# Altium PCB ALCT_MEZ_LX100.PcbDoc (part 1 of 10) (continued)
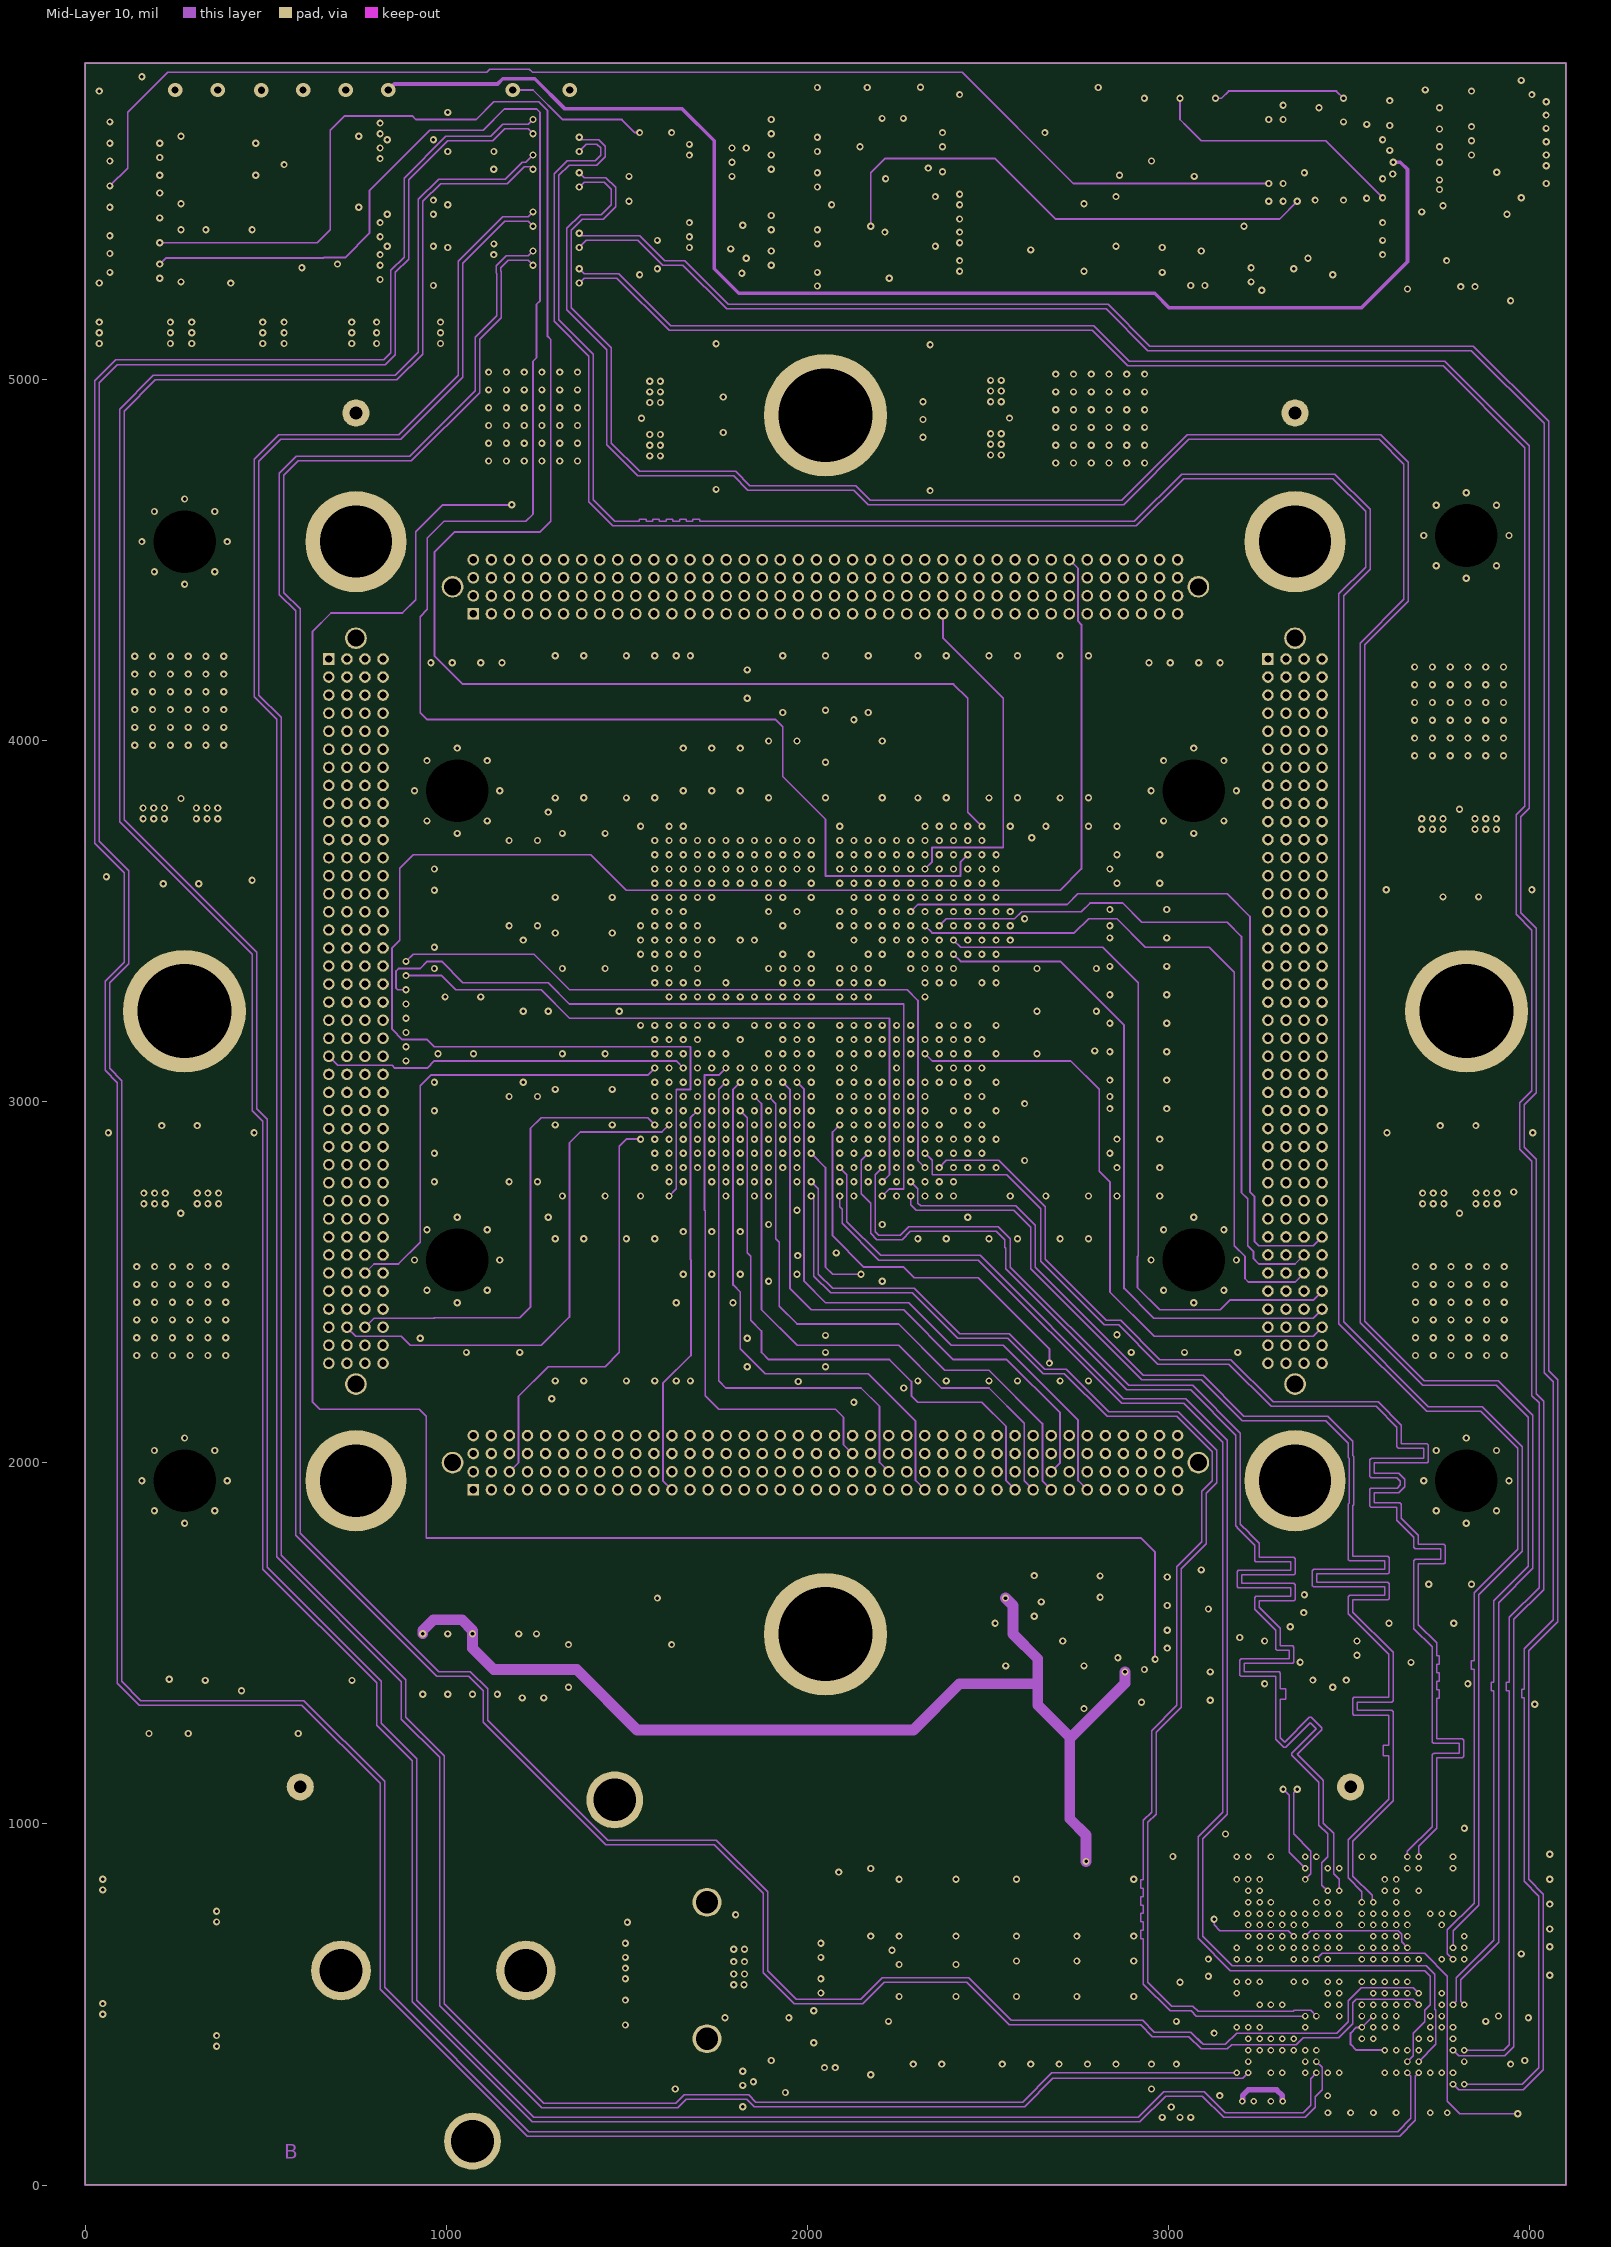
[diagram p11: Mid-Layer 10]

## Layer stack, top to bottom
Top Solder: solder mask 1.4, Solder Resist, Dk 3.3
Top Layer: signal copper 2
Dielectric 1: prepreg 4.9, FR-4, Dk 4.2
GND: signal copper 0.6
Dielectric3: prepreg 4.9, FR-4, Dk 4.2
Mid-Layer 2: signal copper 0.6
Dielectric4: core 5, FR-4, Dk 4.2
+3V3: signal copper 1.5
Dielectric 14: prepreg 4.9, Dk 4.2
Mid-Layer 4: signal copper 0.6
Dielectric5: core 5, FR-4, Dk 4.2
+1V2: signal copper 0.6
Dielectric6: prepreg 4.9, FR-4, Dk 4.2
Mid-Layer 6: signal copper 0.6
Dielectric7: core 5, FR-4, Dk 4.2
+1V8: signal copper 0.6
Dielectric12: prepreg 4.9, FR-4, Dk 4.2
Mid-Layer 8: signal copper 0.6
Dielectric8: core 5, FR-4, Dk 4.2
+2V5: signal copper 0.6
Dielectric13: prepreg 4.9, FR-4, Dk 4.2
Mid-Layer 10: signal copper 0.6
Dielectric10: core 5, FR-4, Dk 4.2
Bottom Layer: signal copper 1.4
Bottom Solder: solder mask 0.4, Solder Resist, Dk 3.3

## Board outline
0,0.16 0,5875 4100,5875 4100,0.16

## Design rules (kind name [scope] priority, off if disabled: settings)
Clearance PolyPoly [InPolygon vs InPolygon] p1: gap=25 ignorepadtopadclearanceinfootprint=TRUE
Clearance "Mechanical to Polygon" [InComponent ('M*')       or InComponent('H*')] p2: gap=8 ignorepadtopadclearanceinfootprint=TRUE except(15: Arc-Poly Track-Poly SMDPad-Poly THPad-Poly Via-Poly Fill-Poly Poly-Poly)
Clearance "FPGA Clearance" [WithinRoom('FPGA_ROOM')] p3: gap=6 ignorepadtopadclearanceinfootprint=TRUE except(7: Arc-Via Track-Via)
Clearance Clock_to_Polygon [InNet('CCLK') or InNet('cclk_sw') or InNet('ck33') or InNet('gbt_cclk') or InNet('gbt_eprt_cclk') or InNet('*clk*') or InNet('cclk_prom')                        or InNet('CK20')] p4: gap=4 ignorepadtopadclearanceinfootprint=TRUE except(15: Track-Poly)
Clearance "GBT BGA Clearance" [InRegionRelative(3165,68,3835,906)] p5: gap=4 ignorepadtopadclearanceinfootprint=TRUE
Clearance Polygon [InPolygon] p6: gap=5 ignorepadtopadclearanceinfootprint=FALSE except(6: THPad-Poly Via-Poly; 10: Arc-Poly Track-Poly SMDPad-Poly; 15: Fill-Poly Poly-Poly)
Clearance "XP4 Clearance" [WithinRoom('XP4_ROOM')] p7: gap=6 ignorepadtopadclearanceinfootprint=TRUE
Clearance "XP1 Clearance" [WithinRoom('XP1_ROOM')] p8: gap=6 ignorepadtopadclearanceinfootprint=TRUE
Clearance "XP2 Clearance" [WithinRoom('XP2_ROOM')] p9: gap=6 ignorepadtopadclearanceinfootprint=TRUE
Clearance "XP3 Clearance" [WithinRoom('XP3_ROOM')] p10: gap=6 ignorepadtopadclearanceinfootprint=TRUE
Clearance "Differnet Diff Pairs" [All] p11: gap=5 ignorepadtopadclearanceinfootprint=TRUE except(12: Arc-Arc Arc-Track Track-Track)
Clearance "Same Diff Pair" [All] p12: gap=5 ignorepadtopadclearanceinfootprint=TRUE
Clearance [All] p13: gap=5 ignorepadtopadclearanceinfootprint=TRUE except(15: Fill-Region)
Clearance "General Clearance TopLy" [OnLayer('Top Layer')] p14: gap=8 ignorepadtopadclearanceinfootprint=TRUE except(7: SMDPad-SMDPad)
Clearance "General Clearance BotLy" [OnLayer('Bottom Layer')] p15: gap=8 ignorepadtopadclearanceinfootprint=TRUE except(6: Arc-SMDPad Track-SMDPad SMDPad-SMDPad)
DiffPairsRouting [All] p1: maxlimit=9 minlimit=5.5 mostfreqgap=9 toplayer_maxgap=5.5 toplayer_prefgap=5.5 toplayer_minwidth=4 toplayer_maxwidth=4 toplayer_prefwidth=4 midlayer1_mingap=9 midlayer1_minwidth=3.5 midlayer1_maxwidth=3.5 midlayer1_prefwidth=3.5 midlayer2_mingap=9 midlayer2_minwidth=3.5 midlayer2_maxwidth=3.5 midlayer2_prefwidth=3.5 midlayer3_mingap=9 midlayer3_minwidth=3.5 midlayer3_maxwidth=3.5 midlayer3_prefwidth=3.5 midlayer4_mingap=9 midlayer4_minwidth=3.5 midlayer4_maxwidth=3.5 midlayer4_prefwidth=3.5 midlayer5_mingap=9 midlayer5_minwidth=3.5 midlayer5_maxwidth=3.5 midlayer5_prefwidth=3.5 midlayer6_mingap=9 midlayer6_minwidth=3.5 midlayer6_maxwidth=3.5 midlayer6_prefwidth=3.5 midlayer7_mingap=9 midlayer7_minwidth=3.5 midlayer7_maxwidth=3.5 midlayer7_prefwidth=3.5 midlayer8_mingap=9 midlayer8_minwidth=3.5 midlayer8_maxwidth=3.5 midlayer8_prefwidth=3.5 midlayer9_mingap=9 midlayer9_minwidth=3.5 midlayer9_maxwidth=3.5 midlayer9_prefwidth=3.5 midlayer10_mingap=9 midlayer10_minwidth=3.5 midlayer10_maxwidth=3.5 midlayer10_prefwidth=3.5 bottomlayer_maxgap=5.5 bottomlayer_prefgap=5.5 bottomlayer_minwidth=4 bottomlayer_maxwidth=4 bottomlayer_prefwidth=4 maxuncoupledlength=50
HoleSize [All] p1: absolutevalues=TRUE maxlimit=260 minlimit=8 maxpercent=80.000 minpercent=20.000
MatchedLengths MatchedLengths_mgt [InNet('SFP_TX_*') or InNet('sfp_rx_*')] p1: tolerance=1000 checknetsindiffpair=TRUE checkdiffpairvsdiffpair=FALSE checkxsignals=FALSE checkothers=FALSE
MatchedLengths MatchedLengths_elinks [InNet('elink*')] p2: tolerance=50 checknetsindiffpair=TRUE checkdiffpairvsdiffpair=FALSE checkxsignals=FALSE checkothers=FALSE
MatchedLengths MatchedLengths_misc [All] p3: tolerance=200 checknetsindiffpair=TRUE checkdiffpairvsdiffpair=FALSE checkxsignals=FALSE checkothers=FALSE
MatchedLengths D7..0 [InNet('gbt_prg_d*_p') or InNet('gbt_prg_d*_n') or InNet('gbt_dskw_cclk_p')or InNet('gbt_dskw_cclk_n') or InNet('gbt_eprt_cclk_p')    or InNet('gbt_eprt_cclk_n')] p4: tolerance=3000 checknetsindiffpair=FALSE checkdiffpairvsdiffpair=TRUE checkxsignals=TRUE checkothers=TRUE
MatchedLengths "Elink Group" [InNet('elink*')] p5: tolerance=1000 checknetsindiffpair=FALSE checkdiffpairvsdiffpair=TRUE checkxsignals=TRUE checkothers=TRUE
MinimumAnnularRing [All] p1: minimumring=4
MinimumSolderMaskSliver [All] p1: minsoldermaskwidth=4.7
ParallelSegment Adjacent [All] p1: limit=800 gap=10
ParallelSegment Parallel [All] p2: limit=100 gap=10
PlaneClearance "Differential Pair Plane Keepout" [InNet('SFP_RX_P') or InNet('SFP_RX_N') or InNet('SFP_TX_N') or InNet('SFP_RX_N') or InNet('MGT_REFCLK_N') or InNet('MGT_REFCLK_P')  or InNet('osc0_n') or InNet('osc0_p')] p1: clearance=20
PlaneClearance [All] p2: clearance=6
PlaneConnect PlaneConnectVia [IsVia] p1: planeconnectstyle=Direct reliefexpansion=20 reliefentries=4 reliefconductorwidth=10 reliefairgap=10
PlaneConnect [All] p2: planeconnectstyle=Relief reliefexpansion=7.09 reliefentries=4 reliefconductorwidth=5.12 reliefairgap=10
PolygonConnect via_connect [IsVia] p1: connectstyle=Direct reliefconductorwidth=10 reliefentries=4 polygonreliefangle="90 Angle" airgapwidth=10
PolygonConnect no_relief [InComponent('M*') or InPolygonClass('no_relief')  or InComponent('H*')     or InComponent('TP*')       or InComponent('U13')    or InComponent('U14') or InComponent('U20') or InComponent('U21')      or InComponent('U9')            or InComponent('U3')              or InComponent('U17')           or InComponent('U7')  or InComponent('U8')] p2: connectstyle=Direct reliefconductorwidth=10 reliefentries=4 polygonreliefangle="90 Angle" airgapwidth=10
PolygonConnect [All] p3: thpad.connectstyle=Relief thpad.reliefconductorwidth=6 thpad.reliefentries=4 thpad.polygonreliefangle="90 Angle" thpad.airgapwidth=5 smdpad.connectstyle=NoConnect smdpad.reliefconductorwidth=6 smdpad.reliefentries=4 smdpad.polygonreliefangle="90 Angle" smdpad.airgapwidth=5 via.connectstyle=Direct via.reliefconductorwidth=6 via.reliefentries=4 via.polygonreliefangle="90 Angle" via.airgapwidth=5
RoomDefinition FPGA_ROOM [InComponent('U1')] p1: confinementstyle=ConfineIn formatcopy=TRUE lockcomponents=FALSE outline 1459.45,2659.45 2640.55,2659.45 2640.55,3840.55 2620.87,3860.24 1459.45,3860.24
RoomDefinition XP1_ROOM [InComponent('XP1')] p2: confinementstyle=ConfineIn formatcopy=TRUE lockcomponents=FALSE outline 576,2177.5 576,4376 924,4376 924,2177.5
RoomDefinition XP2_ROOM [InComponent('XP2')] p3: confinementstyle=ConfineIn formatcopy=TRUE lockcomponents=FALSE outline 924,4251 924,4599 3122.5,4599 3122.5,4251
RoomDefinition XP3_ROOM [InComponent('XP3')] p4: confinementstyle=ConfineIn formatcopy=TRUE lockcomponents=FALSE outline 924,1826 924,2174 3122.5,2174 3122.5,1826
RoomDefinition XP4_ROOM [InComponent('XP4')] p5: confinementstyle=ConfineIn formatcopy=TRUE lockcomponents=FALSE outline 3176,2177.5 3176,4376 3524,4376 3524,2177.5
RoutingLayers [All] p1: top layer_v5=TRUE mid layer 1_v5=TRUE mid layer 2_v5=TRUE mid layer 3_v5=FALSE mid layer 4_v5=TRUE mid layer 5_v5=TRUE mid layer 6_v5=FALSE mid layer 7_v5=TRUE mid layer 8_v5=FALSE mid layer 9_v5=FALSE mid layer 10_v5=FALSE bottom layer_v5=TRUE
RoutingVias "GBT BGA Vias" [TouchesRoom('GBT BGA Room')] p1: holewidth=8 width=15 viastyle="Through Hole" minholewidth=8 minwidth=15 maxholewidth=8 maxwidth=15
RoutingVias "General Vias" [All] p2: holewidth=10 width=19 viastyle="Through Hole" minholewidth=10 minwidth=19 maxholewidth=10 maxwidth=19
SMDEntry [All] p1: side=TRUE corner=TRUE anyangle=TRUE
SilkToSolderMaskClearance [IsPad] p1: minsilkscreentomaskgap=4.75 clearancetoexposedcopper=TRUE
SolderMaskExpansion [All] p1: expansion=0
ViasUnderSMD VIA_UnderSMD_1 [(Name = 'U12-6') Or (Name = 'U13-6') Or (Name = 'U14-8')] p1: allowed=TRUE
Width "XP4 Routing" [TouchesRoom('XP4_ROOM')] p1: maxlimit=30 minlimit=4 preferedwidth=4 toplayer_prefwidth=5 bottomlayer_prefwidth=5 minimp=50.000000 maximp=50.000000 favimp=50.000000
Width "XP3 Routing" [TouchesRoom('XP3_ROOM')] p2: maxlimit=30 minlimit=4 preferedwidth=4 toplayer_prefwidth=5 bottomlayer_prefwidth=5 minimp=50.000000 maximp=50.000000 favimp=50.000000
Width "XP2 Routing" [TouchesRoom('XP2_ROOM')] p3: maxlimit=30 minlimit=4 preferedwidth=4 toplayer_prefwidth=5 bottomlayer_prefwidth=5 minimp=50.000000 maximp=50.000000 favimp=50.000000
Width "XP1 Routing" [TouchesRoom('XP1_ROOM')] p4: maxlimit=30 minlimit=4 preferedwidth=4 toplayer_prefwidth=5 bottomlayer_prefwidth=5 minimp=50.000000 maximp=50.000000 favimp=50.000000
Width "FPGA BGA Width" [WithinRoom('FPGA_ROOM')] p5: maxlimit=18 minlimit=4 preferedwidth=4 toplayer_maxwidth=10 toplayer_prefwidth=5 midlayer1_maxwidth=10 midlayer2_maxwidth=10 midlayer3_maxwidth=10 midlayer4_maxwidth=10 midlayer5_maxwidth=10 midlayer6_maxwidth=10 midlayer7_maxwidth=10 midlayer8_maxwidth=10 midlayer9_maxwidth=10 midlayer10_maxwidth=10 bottomlayer_prefwidth=5 minimp=50.000000 maximp=50.000000 favimp=50.000000
Width "GBT BGA Width" [InRegionRelative(3165,68,3835,906)] p6: maxlimit=30 minlimit=4 preferedwidth=5
Width "XCF32P Width" [TouchesRoom('XCF32P')] p7: maxlimit=8 minlimit=8 preferedwidth=8
Width Power [InNetClass('Power')      or InNet('+1V5_RXTXCMPS')] p8: maxlimit=196.85 minlimit=10 preferedwidth=10
Width "General Width" [All] p9: maxlimit=20 minlimit=4 preferedwidth=5
23 further rules are at their usual default settings.

## Classes and differential pairs
net class Power: +1V2 +1V5 +1V5A +1V8 +2V5 +2V5/2 +2V5/2_SFP +2V5_SFP +3V3 +3V3/2 +VCORE gbt_rx_rssi GND VREF VTfpga VTfpga_adc VTgbtx VTgbtx_adc
differential pair gbt_clk320: +gbt_clk320_p -gbt_clk320_n
differential pair gbt_sel_gbt_x\p\r\m\: +gbt_sel_gbt_x\p\r\m\_p -gbt_sel_gbt_x\p\r\m\_n
differential pair gbt_sel_gbt_cclk_src: +gbt_sel_gbt_cclk_src_p -gbt_sel_gbt_cclk_src_n
differential pair gbt_prg_dis: +gbt_prg_dis_p -gbt_prg_dis_n
differential pair gbt_prg_d7: +gbt_prg_d2_p -gbt_prg_d2_n
differential pair gbt_prg_d6: +gbt_prg_d4_p -gbt_prg_d4_n
differential pair gbt_prg_d5: +gbt_prg_d1_p -gbt_prg_d1_n
differential pair gbt_prg_d4: +gbt_prg_d6_p -gbt_prg_d6_n
differential pair gbt_prg_d3: +gbt_prg_d3_p -gbt_prg_d3_n
differential pair gbt_prg_d2: +gbt_prg_d7_p -gbt_prg_d7_n
differential pair gbt_prg_d1: +gbt_prg_d5_p -gbt_prg_d5_n
differential pair gbt_prg_d0: +gbt_prg_d0_p -gbt_prg_d0_n
differential pair gbt_p\r\g\: +gbt_p\r\g\_p -gbt_p\r\g\_n
differential pair gbt_override: +gbt_override_p -gbt_override_n
differential pair gbt_eprt_cclk: +gbt_eprt_cclk_p -gbt_eprt_cclk_n
differential pair gbt_dskw_cclk: +gbt_dskw_cclk_p -gbt_dskw_cclk_n
differential pair gbt_clk40: +gbt_clk40_p -gbt_clk40_n
differential pair elink13: +elink13_p -elink13_n
differential pair elink12: +elink12_p -elink12_n
differential pair elink11: +elink11_p -elink11_n
differential pair elink10: +elink10_p -elink10_n
differential pair elink9: +elink9_p -elink9_n
differential pair elink8: +elink8_p -elink8_n
differential pair elink7: +elink7_p -elink7_n
differential pair elink6: +elink6_p -elink6_n
differential pair elink5: +elink5_p -elink5_n
differential pair elink4: +elink4_p -elink4_n
differential pair elink3: +elink3_p -elink3_n
differential pair elink2: +elink2_p -elink2_n
differential pair elink1: +elink1_p -elink1_n
differential pair elink0: +elink0_p -elink0_n
differential pair sfp_rx: +sfp_rx_p -sfp_rx_n
differential pair SFP_TX: +SFP_TX_P -SFP_TX_N

## Components (designator, comment, footprint, x,y, rotation, side; value= is the part's Value field where it differs from the comment)
1V2_INT "Test Point Via" MC_S6/TH/TPVIA 721.65,5800.39 r0 top locked
1V5A "Test Point Via" MC_S6/TH/TPVIA 162.99,2746.26 r90 top locked
1V5D "Test Point Via" MC_S6/TH/TPVIA 839.76,5800.39 r90 top locked
1V8 "Test Point Via" MC_S6/TH/TPVIA 603.54,5800.39 r0 top locked
2V5 "Test Point Via" MC_S6/TH/TPVIA 488.15,5799.49 r0 top locked
2V5_SFP "Test Point Via" MC_S6/TH/TPVIA 3762.21,2746.26 r90 top locked
3V3 "Test Point Via" MC_S6/TH/TPVIA 249.21,5800.39 r0 top locked
AWAKE "Test Point Via" MC_S6/TH/TPVIA 2443.7,2679.13 r0 top locked
C1 "10uF" MC_S6/SM/C_0805_IPC 3858.27,3654.92 r270 top locked
C2 "10uF" MC_S6/SM/C_0805_IPC 314.96,3684.45 r270 top locked
C3 "10uF" MC_S6/SM/C_0805_IPC 216.54,3684.45 r270 top locked
C4 "0.01uF" MC_S6/SM/C_0402_IPC 59.06,3684.45 r270 top locked
C5 "10uF" MC_S6/SM/C_0805_IPC 3759.84,3654.92 r270 top locked
C6 "0.01uF" MC_S6/SM/C_0402_IPC 3602.36,3654.92 r270 top locked
C7 "10UF" MC_S6/SM/C_0805_IPC 1681.5,4950.39 r0 top locked
C8 "10UF" MC_S6/SM/C_0805_IPC 1681.5,4851.97 r0 top locked
C9 "0.01uF" MC_S6/SM/C_0402_IPC 1678.35,4694.49 r0 top locked
C10 "10UF" MC_S6/SM/C_0805_IPC 2418.5,4836.61 r180 top locked
C11 "10uF" MC_S6/SM/C_0805_IPC 2418.5,4935.04 r180 top locked
C12 "0.01UF" MC_S6/SM/C_0402_IPC 2418.5,5092.52 r180 top locked
C13 "0.47uF" MC_S6/SM/C_0402_IPC 3671.26,5767.91 r0 bottom locked
C14 "0.47uF" MC_S6/SM/C_0402_IPC 3789.37,5797.44 r90 bottom locked
C15 "0.47uF" MC_S6/SM/C_0402_IPC 3671.26,5711.32 r0 bottom locked
C16 "0.47uF" MC_S6/SM/C_0402_IPC 3789.37,5708.86 r270 bottom locked
C17 "0.47uF" MC_S6/SM/C_0402_IPC 3671.26,5654.72 r0 bottom locked
C18 "0.47uF" MC_S6/SM/C_0402_IPC 3789.37,5620.28 r270 bottom locked
C19 "0.47uF" MC_S6/SM/C_0402_IPC 3671.26,5598.13 r0 bottom locked
C20 "0.01uF" MC_S6/SM/C_0402_IPC 4005.91,5531.69 r270 bottom locked
C21 "0.01uF" MC_S6/SM/C_0402_IPC 4005.91,5620.28 r90 bottom locked
C22 "0.1UF" MC_S6/SM/C_0402_IPC 4005.91,5708.86 r270 bottom locked
C23 "10uF" MC_S6/SM/C_0805_IPC 3838.58,5436.42 r180 bottom locked
C24 "0.1uF" MC_S6/SM/C_0402_IPC 1813.78,3919.29 r89.5 bottom locked
C25 "0.1UF" MC_S6/SM/C_0402_IPC 3838.58,5298.62 r180 bottom locked
C26 "0.1UF" MC_S6/SM/C_0402_IPC 3986.22,600.59 r180 bottom locked
C27 "0.1uF" MC_S6/SM/C_0402_IPC 3031.5,1387.99 r90 top locked
C28 "0.1uF" MC_S6/SM/C_0402_IPC 2765.75,1378.15 r90 top locked
C29 "10uF" MC_S6/SM/C_0805_IPC 2175.2,602.56 r270 top locked
C30 "0.47uF" MC_S6/SM/C_0402_IPC 2086.61,649.8 r90 top locked
C31 "100uF" MC_S6/SM/C_1210_IPC 2332.68,557.28 r90 top locked
C32 "10uF" MC_S6/SM/C_0805_IPC 2175.2,423.43 r90 top locked
C33 "0.47uF" MC_S6/SM/C_0603_IPC 2086.61,423.43 r90 top locked
C34 "0.1uF" MC_S6/SM/C_0402_IPC 1870.08,649.8 r90 bottom locked
C35 "0.01uF" MC_S6/SM/C_0402_IPC 1751.97,649.8 r90 bottom locked
C36 "10uF" MC_S6/SM/C_0805_IPC 2332.68,393.9 r180 top locked
C37 "0.47uF" MC_S6/SM/C_0402_IPC 2086.61,551.38 r270 top locked
C38 "100uF" MC_S6/SM/C_1210_IPC 2332.68,777.76 r90 top locked
C39 "10uF" MC_S6/SM/C_0805_IPC 2175.2,779.72 r270 top locked
C40 "0.47uF" MC_S6/SM/C_0603_IPC 2086.61,777.76 r270 top locked
C41 "0.1uF" MC_S6/SM/C_0402_IPC 1751.97,551.38 r270 bottom locked
C42 "0.01uF" MC_S6/SM/C_0402_IPC 1870.08,551.38 r270 bottom locked
C43 "0.1UF" MC_S6/SM/C_0402_IPC 265.75,5337.99 r90 bottom locked
C44 "0.1uF" MC_S6/SM/C_0402_IPC 1656.3,2580.71 r270 bottom locked
C45 "0.1uF" MC_S6/SM/C_0402_IPC 1735.04,2580.71 r270 bottom locked
C46 "0.47uF" MC_S6/SM/C_0402_IPC 1742.13,5748.03 r180 bottom
C47 "0.1uF" MC_S6/SM/C_0402_IPC 2581.5,3604.33 r90 bottom locked
C48 "0.1UF" MC_S6/SM/C_0402_IPC 137.8,5564.37 r180 bottom locked
C49 "0.1UF" MC_S6/SM/C_0402_IPC 895.67,5367.52 r0 bottom locked
C50 "0.1UF" MC_S6/SM/C_0402_IPC 895.67,5495.47 r180 bottom locked
C51 "0.1UF" MC_S6/SM/C_0402_IPC 895.67,5662.8 r0 bottom locked
C52 "10uF" MC_S6/SM/C_0805_IPC 265.75,5574.21 r270 bottom locked
C53 "0.1UF" MC_S6/SM/C_0402_IPC 137.8,5652.95 r180 bottom locked
C54 "0.1UF" MC_S6/SM/C_0402_IPC 895.67,5436.42 r180 bottom locked
C55 "0.1UF" MC_S6/SM/C_0402_IPC 137.8,5446.26 r180 bottom locked
C56 "10uF" MC_S6/SM/C_0805_IPC 757.87,5574.21 r270 bottom locked
C57 "0.1UF" MC_S6/SM/C_0402_IPC 137.8,5305.32 r0 bottom locked
C58 "10uF" MC_S6/SM/C_0805_IPC 137.8,5226.57 r0 bottom locked
C59 "0.47uF" MC_S6/SM/C_0402_IPC 3484.25,5456.1 r0 bottom locked
C60 "0.1uF" MC_S6/SM/C_0402_IPC 3267.72,5305.32 r90 bottom locked
C61 "0.47uF" MC_S6/SM/C_0402_IPC 3316.93,5305.32 r270 bottom locked
C62 "0.47uF" MC_S6/SM/C_0402_IPC 3444.88,5633.27 r270 bottom locked
C63 "0.47uF" MC_S6/SM/C_0402_IPC 2234.25,5475.79 r270 bottom locked
C64 "0.47uF" MC_S6/SM/C_0402_IPC 2667.32,5387.2 r270 bottom locked
C65 "0.47uF" MC_S6/SM/C_0402_IPC 2263.78,5561.22 r0 bottom locked
C66 "0.47uF" MC_S6/SM/C_0402_IPC 3248.03,1604.53 r270 top locked
C67 "0.1UF" MC_S6/SM/C_0402_IPC 2854.33,5643.11 r270 bottom locked
C68 "0.47uF" MC_S6/SM/C_0402_IPC 1742.13,5393.7 r180 bottom
C69 "0.47uF" MC_S6/SM/C_0402_IPC 1742.13,5688.98 r180 bottom
C70 "0.01uF" MC_S6/SM/C_0402_IPC 1741.93,5629.92 r180 bottom
C71 "0.01uF" MC_S6/SM/C_0402_IPC 1741.93,5334.65 r180 bottom
C72 "0.47uF" MC_S6/SM/C_0402_IPC 1062.8,5344.49 r180 bottom
C73 "0.47uF" MC_S6/SM/C_0402_IPC 1072.64,5629.92 r180 bottom locked
C74 "0.01uF" MC_S6/SM/C_0402_IPC 1062.8,5393.7 r180 bottom
C75 "0.01uF" MC_S6/SM/C_0402_IPC 1072.64,5580.71 r180 bottom locked
C76 "0.47uF" MC_S6/SM/C_0402_IPC 2086.61,5807.28 r0 bottom locked
C77 "0.47uF" MC_S6/SM/C_0402_IPC 1584.65,5623.43 r0 bottom locked
C78 "0.47uF" MC_S6/SM/C_0402_IPC 2050,4037.4 r180 bottom locked
C79 "0.47uF" MC_S6/SM/C_0402_IPC 2303.15,5475.79 r270 bottom locked
C80 "0.47uF" MC_S6/SM/C_0402_IPC 2303.15,5337.99 r270 bottom locked
C81 "0.47uF" MC_S6/SM/C_0402_IPC 3031.5,1515.95 r270 top locked
C82 "0.47uF" MC_S6/SM/C_0402_IPC 3316.93,5397.05 r90 bottom locked
C83 "0.47uF" MC_S6/SM/C_0402_IPC 3287.4,5633.27 r90 bottom locked
C84 "0.47uF" MC_S6/SM/C_0402_IPC 1584.65,5347.83 r0 bottom locked
C85 "0.47uF" MC_S6/SM/C_0402_IPC 3021.65,1643.9 r270 top locked
C86 "0.47uF" MC_S6/SM/C_0402_IPC 1584.65,5551.38 r0 bottom locked
C87 "0.01uF" MC_S6/SM/C_0402_IPC 3787.4,707.13 r270 bottom locked
C88 "0.01uF" MC_S6/SM/C_0402_IPC 3629.92,404.92 r0 bottom locked
C89 "0.01uF" MC_S6/SM/C_0402_IPC 3787.4,593.9 r180 bottom locked
C90 "0.01uF" MC_S6/SM/C_0402_IPC 3503.94,530.91 r90 bottom locked
C91 "0.01uF" MC_S6/SM/C_0402_IPC 3566.93,593.9 r180 bottom locked
C92 "0.01uF" MC_S6/SM/C_0402_IPC 3692.91,845.87 r0 bottom locked
C93 "0.01uF" MC_S6/SM/C_0402_IPC 3614.17,341.93 r180 bottom locked
C94 "0.01uF" MC_S6/SM/C_0402_IPC 3787.4,822.24 r270 bottom locked
C95 "0.1uF" MC_S6/SM/C_0402_IPC 3503.94,877.36 r90 bottom locked
C96 "0.1uF" MC_S6/SM/C_0402_IPC 3503.94,656.89 r270 bottom locked
C97 "0.1uF" MC_S6/SM/C_0402_IPC 3677.17,452.17 r315 bottom locked
C98 "0.1uF" MC_S6/SM/C_0402_IPC 3740.16,247.44 r270 bottom locked
C99 "0.1uF" MC_S6/SM/C_0402_IPC 3314.96,341.93 r180 bottom locked
C100 "0.1uF" MC_S6/SM/C_0402_IPC 3740.16,357.68 r270 bottom locked
C101 "0.1uF" MC_S6/SM/C_0402_IPC 3614.17,278.94 r180 bottom locked
C102 "100uF" MC_S6/SM/C_1210_IPC 2814.96,777.76 r270 top locked
C103 "10uF" MC_S6/SM/C_0805_IPC 3466.69,394.92 r135 bottom locked
C104 "4.7uF" MC_S6/SM/C_0603_IPC 3724.41,688.39 r315 bottom locked
C105 "0.47uF" MC_S6/SM/C_0402_IPC 3582.68,877.36 r180 bottom locked
C106 "0.47uF" MC_S6/SM/C_0402_IPC 3440.95,845.87 r180 bottom locked
C107 "0.47uF" MC_S6/SM/C_0402_IPC 3677.17,593.9 r0 bottom locked
C108 "0.47uF" MC_S6/SM/C_0402_IPC 3468.5,278.94 r180 bottom locked
C109 "100uF" MC_S6/SM/C_1210_IPC 2490.16,561.22 r270 top locked
C110 "10uF" MC_S6/SM/C_0805_IPC 2490.16,393.9 r180 top locked
C111 "4.7uF" MC_S6/SM/C_0603_IPC 3299.21,578.15 r270 bottom locked
C112 "0.1uF" MC_S6/SM/C_0402_IPC 3173.23,719.88 r180 bottom locked
C113 "0.01uF" MC_S6/SM/C_0402_IPC 3440.95,593.9 r180 bottom locked
C114 "0.01uF" MC_S6/SM/C_0402_IPC 3267.72,467.91 r180 bottom locked
C115 "100uF" MC_S6/SM/C_1210_IPC 2657.48,777.76 r90 top locked
C116 "100uF" MC_S6/SM/C_1210_IPC 2657.48,561.22 r270 top locked
C117 "10uF" MC_S6/SM/C_0805_IPC 2657.48,393.9 r0 top locked
C118 "4.7uF" MC_S6/SM/C_0603_IPC 3141.73,326.18 r270 bottom locked
C119 "0.47uF" MC_S6/SM/C_0402_IPC 3307.09,877.36 r0 bottom locked
C120 "4.7uF" MC_S6/SM/C_0603_IPC 987.01,3210.63 r90 bottom locked